# Altium PCB Shuttler_AMC.PcbDoc (part 6 of 12)
Units mm, origin at the board's own origin, x right, y up, seen from the top; angles counter-clockwise.
Board outline 180.71 x 148.55 mm, 12 copper layers (Layer 1, Layer 2, Layer 3, Layer 4, Layer 5, Layer 6, Layer 7, Layer 8, Layer 9, Layer 10, Layer 11, Layer 12), stack 2.14 mm thick; 1184 components, 1698 nets, 9088 pads, 920 vias.
Unrouted connection lines stored in the file: 1441.
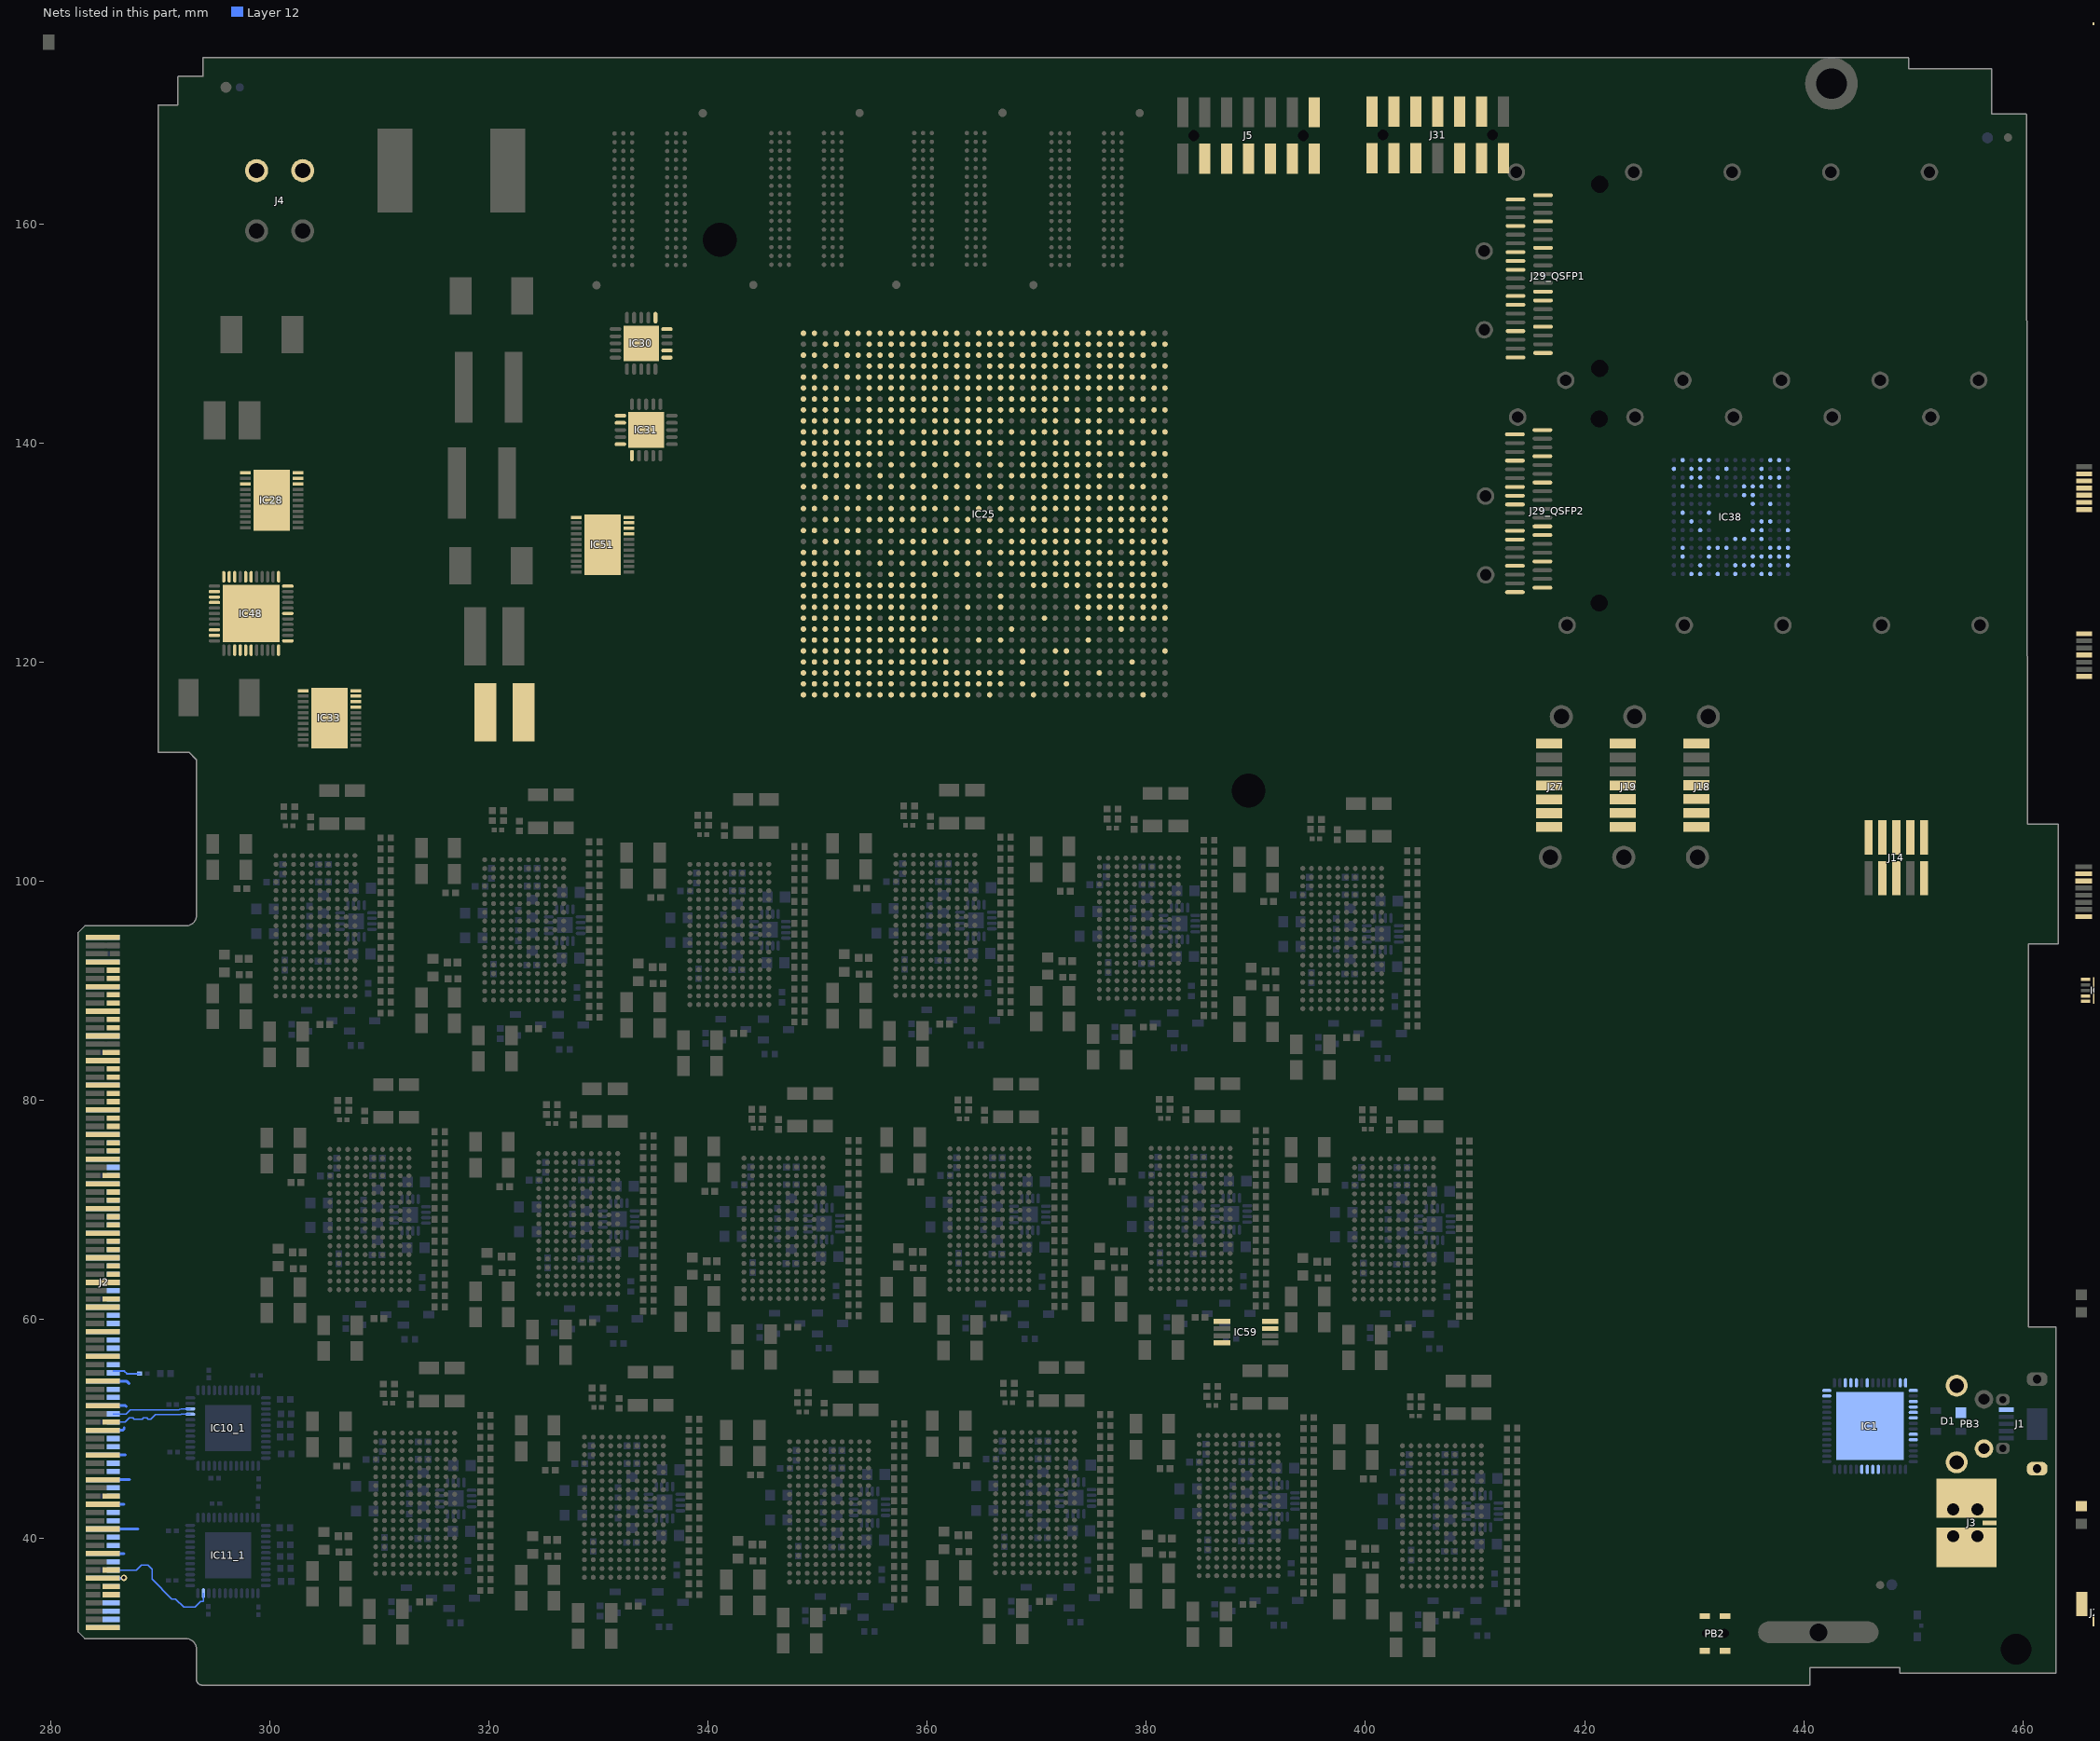
[diagram p12: the nets of this part, all layers, seen from the top]

## Part data (continued)
L4 L6 L7 L8 L9 L10 L11 L12 L13 L14 L29_Amplifier14 L30_Amplifier14 L32 L33 L38 L39 L40 L45 L47 L48 L49 L1000 L1000_1 L1000_1_1 L1000_1_2 L1000_2 L1000_2_1 L1000_2_2 L1000_3 L1000_3_1 L1000_3_2 L1000_4 L1000_4_1 L1000_4_1_1 L1000_4_1_2 L1000_4_2 L1000_4_3 L1000_5 L1000_6 L1001 L1001_1 L1001_1_1 L1001_1_2 L1001_2 L1001_2_1 L1001_2_2 L1001_3 L1001_3_1 L1001_3_2 L1001_4 L1001_4_1 L1001_4_1_1 L1001_4_1_2 L1001_4_2 L1001_4_3 L1001_5 L1001_6: library part IND0603_MURATA_BLM18PG121SN1D, "Inductor", Case=0603, Manufacturer=MURATA, Manufacturer Part Number=BLM18PG121SN1D, Power=2A, Resistance=0.05R, Author="CERN DEM BC", ComponentHeight=0.95mm, Component Type=Standard, HelpURL=\\cern.ch\dfs\Applications\Altium\Datasheets\IND0603_MURATA_BLM18P.pdf, Mounted=Yes, Part Description="SMD EMIFIL Chip Ferrite Bead", Part Number=IND0603_MURATA_BLM18PG121SN1D, Pin Count=2, Sense=No, SMD=Yes, Socket=No, Status=None
  L4 L6 L7 L8 L9 L10 L13 L14 L29_Amplifier14 L30_Amplifier14 L32 L33 L38 L39 L40 L45 L47 L48 L49 L1000 L1000_1 L1000_1_1 L1000_1_2 L1000_2 L1000_2_1 L1000_2_2 L1000_3 L1000_3_1 L1000_3_2 L1000_4 L1000_4_1 L1000_4_1_1 L1000_4_1_2 L1000_4_2 L1000_4_3 L1000_5 L1000_6 L1001 L1001_1 L1001_1_1 L1001_1_2 L1001_2 L1001_2_1 L1001_2_2 L1001_3 L1001_3_1 L1001_3_2 L1001_4 L1001_4_1 L1001_4_1_1 L1001_4_1_2 L1001_4_2 L1001_4_3 L1001_5 L1001_6: CreateDate=27.07.2015, LatestRevisionDate=27.07.2015
  L11 L12: CreateDate=2015-07-27, LatestRevisionDate=2015-07-27
L5: library part IND0805_47NH_5%_EPCOS_B82498B, "Inductor With Core", Case=0805, Manufacturer=EPCOS, Manufacturer Part Number=B82498B3470J, Power=500mA, Resistance=0.13R, Tolerance=±5%, Author="CERN DEM JLC", ComponentHeight=1.45mm, Component Type=Standard, CreateDate=11.02.2008, HelpURL=\\cern.ch\dfs\Applications\Altium\Datasheets\IND0805_EPCOS_B82498B.pdf, LatestRevisionDate=26.06.2008, Mounted=Yes, Part Description="SMT Inductor SIMID Series", Part Number=IND0805_47NH_5%_EPCOS_B82498B, Pin Count=2, Sense=No, SMD=Yes, Socket=No, Status=Preferred
L15 L27: library part IND0603_MURATA_BLM18PG121SN1D, Case=0603, Manufacturer=MURATA, Manufacturer Part Number=BLM18PG121SN1D, Power=2A, Resistance=0.05R, Author="CERN DEM BC", ComponentHeight=0.95mm, Component Type=Standard, CreateDate=27.07.2015, HelpURL=\\cern.ch\dfs\Applications\Altium\Datasheets\IND0603_MURATA_BLM18P.pdf, LatestRevisionDate=25.10.2018, Mounted=Yes, Part Description="SMD EMIFIL Chip Ferrite Bead", Part Number=IND0603_MURATA_BLM18PG121SN1D, Pin Count=2, Sense=No, SMD=Yes, Socket=No, Status=None
L16 L35 L36 L54 L55: library part IND0402_MURATA_BLM15PX121SN1D, "Inductor", Case=0402, Manufacturer=MURATA, Manufacturer Part Number=BLM15PX121SN1D, Power=2A, Resistance=0.055R, Tolerance=±25%, Author="CERN DEM JMW", ComponentHeight=0.55mm, Component Type=Standard, CreateDate=19.02.2014, HelpURL=\\cern.ch\dfs\Applications\Altium\Datasheets\IND0402_MURATA_BLM15PX.pdf, LatestRevisionDate=19.02.2014, Mounted=Yes, Part Description="SMD EMIFIL Chip Ferrite Bead", Part Number=IND0402_MURATA_BLM15PX121SN1D, Pin Count=2, Sense=No, SMD=Yes, Socket=No, Status=None
L18 L19 L20 L21 L22: library part IND1806_MURATA_BLM41PG600SN1L, "Inductor", Case=1806, Manufacturer=MURATA, Manufacturer Part Number=BLM41PG600SN1L, Power=6A, Resistance=0.01R, Author="CERN DEM JLC", ComponentHeight=1.8mm, Component Type=Standard, CreateDate=02.12.2009, HelpURL=\\cern.ch\dfs\Applications\Altium\Datasheets\IND1806_MURATA_BLM41P.pdf, LatestRevisionDate=02.12.2009, Mounted=Yes, Part Description="SMD EMI Suppression Chip Ferrite Bead (BLM41P Series)", Part Number=IND1806_MURATA_BLM41PG600SN1L, Pin Count=2, Sense=No, SMD=Yes, Socket=No, Status=None
L23 L24: library part IND0603_MURATA_BLM18PG330SN1D, "Inductor", Case=0603, Manufacturer=MURATA, Manufacturer Part Number=BLM18PG330SN1D, Power=3A, Resistance=0.025R, Tolerance=±25%, Author="CERN DEM JMW", ComponentHeight=0.95mm, Component Type=Standard, CreateDate=19.02.2014, HelpURL=\\cern.ch\dfs\Applications\Altium\Datasheets\IND0603_MURATA_BLM18P.pdf, LatestRevisionDate=19.02.2014, Mounted=Yes, Part Description="SMD EMIFIL Chip Ferrite Bead", Part Number=IND0603_MURATA_BLM18PG330SN1D, Pin Count=2, Sense=No, SMD=Yes, Socket=No, Status=None
L25: library part IND_440NH_20%_PULSE_PA0513.441NLT, "Inductor With Core", Manufacturer="PULSE ELECTRONICS", Manufacturer Part Number=PA0513.441NLT, Power=30A, Resistance=0.0032R, Tolerance=±20%, Author="CERN DEM JLC", ComponentHeight=8mm, Component Type=Standard, CreateDate=15.11.2016, HelpURL=\\cern.ch\dfs\Applications\Altium\Datasheets\IND_PULSE_PA0513.441NLT.pdf, LatestRevisionDate=15.11.2016, Mounted=Yes, Part Description="SMT Power Inductor", Part Number=IND_440NH_20%_PULSE_PA0513.441NLT, Pin Count=2, Sense=No, SMD=Yes, Socket=No, Status=None
L26: library part IND_2.2UH_20%_WURTH_WE-PMCI_74479276222C, "Inductor", Case=0806, Manufacturer="WURTH ELEKTRONIK", Manufacturer Part Number=74479276222C, Power=1.1A, Resistance=0.112R, Tolerance=±20%, Author="CERN DEM JLC", ComponentHeight=1mm, Component Type=Standard, CreateDate=20.10.2016, HelpURL=\\cern.ch\dfs\Applications\Altium\Datasheets\IND_WURTH_WE-PMCI_74479276222C.pdf, LatestRevisionDate=20.10.2016, Mounted=Yes, Part Description="SMD Power Molded Chip  Inductor (WE-PMCI Series)", Part Number=IND_2.2UH_20%_WURTH_WE-PMCI_74479276222C, Pin Count=2, Sense=No, SMD=Yes, Socket=No, Status=None
L28: library part IND_10UH_20%_WURTH_WE-SPC_74408943100, "Inductor With Core", Manufacturer="WURTH ELEKTRONIK", Manufacturer Part Number=74408943100, Power=1.65A, Resistance=0.082R, Tolerance=±20%, Author="CERN DEM MR", ComponentHeight=4.1mm, Component Type=Standard, CreateDate=30.06.2017, HelpURL=\\cern.ch\dfs\Applications\Altium\Datasheets\IND_WURTH_WE-SPC_74408943100.pdf, LatestRevisionDate=05.07.2017, Mounted=Yes, Part Description="SMD Shielded Power Inductor (WE-SPC Series)", Part Number=IND_10UH_20%_WURTH_WE-SPC_74408943100, Pin Count=2, Sense=No, SMD=Yes, Socket=No, Status=None
L31: library part IND0805_WURTH_742792040, "Inductor", Case=0805, Manufacturer="WURTH ELEKTRONIK", Manufacturer Part Number=742792040, Power=2A, Resistance=0.150R, Tolerance=±25%, Author="CERN DEM JLC", ComponentHeight=1.1mm, Component Type=Standard, CreateDate=10.05.2010, HelpURL=\\cern.ch\dfs\Applications\Altium\Datasheets\IND0805_WURTH_742792040.pdf, LatestRevisionDate=10.05.2010, Mounted=Yes, Part Description="SMD EMI Suppression Chip Ferrite Bead (WE-CBF Series)", Part Number=IND0805_WURTH_742792040, Pin Count=2, Sense=No, SMD=Yes, Socket=No, Status=None
L34: library part SPM6530T-4R7M, "Inductor With Core", Manufacturer=TDK, Part Number=IND_4.7UH_20%_TDK_SPM6530, Power=5.6A, Resistance=0.039R, Tolerance=±20%, Autho=TP, ComponentHeight=3mm, Component Type=Standard, CreateDate=16.01.2019, Manufacturer Part Number=SPM6530T-4R7M, Mounted=Yes, Part Description="SMD Inductor for Power Circuits (Wound Metal), SPM Series", Pin Count=2, Sense=No, SMD=Yes, Socket=No, Status=None
L37: library part IND_10UH_10%_MURATA-PS_8400, "Inductor With Core", Manufacturer="MURATA POWER SOLUTIONS", Manufacturer Part Number=84103C, Power=950mA, Resistance=0.24R, Tolerance=±10%, Author="CERN DEM JLC", ComponentHeight=2.9mm, Component Type=Standard, CreateDate=02.07.2012, HelpURL=\\cern.ch\dfs\Applications\Altium\Datasheets\IND_MURATA-PS_8400.pdf, LatestRevisionDate=02.07.2012, Mounted=Yes, Part Description="Miniature Surface Mount Power Inductor (8400 Series)", Part Number=IND_10UH_10%_MURATA-PS_8400, Pin Count=2, Sense=No, SMD=Yes, Socket=No, Status=None
L41 L42 L43: library part IND_2.2UH_20%_BOURNS_SRP6540, "Inductor", Manufacturer=BOURNS, Manufacturer Part Number=SRP6540-2R2M, Power=9A, Resistance=0.0155R, Tolerance=±20%, Author="CERN DEM JMW", ComponentHeight=4mm, Component Type=Standard, CreateDate=06.08.2015, HelpURL=\\cern.ch\dfs\Applications\Altium\Datasheets\IND_BOURNS_SRP6540.pdf, LatestRevisionDate=06.08.2015, Mounted=Yes, Part Description="Shielded SMD Power Inductor", Part Number=IND_2.2UH_20%_BOURNS_SRP6540, Pin Count=2, Sense=No, SMD=Yes, Socket=No, Status=None
L44 L46: library part IND_1.8UH_20%_COILCRAFT_XAL7070, "Inductor With Core", Manufacturer=COILCRAFT, Manufacturer Part Number=XAL7070-182MEC, Power=15.8A, Resistance=0.00405R, Tolerance=±20%, Author="CERN DEM JLC", ComponentHeight=7mm, Component Type=Standard, CreateDate=03.11.2016, HelpURL=\\cern.ch\dfs\Applications\Altium\Datasheets\IND_COILCRAFT_XAL7070.pdf, LatestRevisionDate=03.11.2016, Mounted=Yes, Part Description="SMD Shielded Power Inductor", Part Number=IND_1.8UH_20%_COILCRAFT_XAL7070, Pin Count=2, Sense=No, SMD=Yes, Socket=No, Status=None
L50: library part IND_4.7UH_20%_WURTH_WE-SPC_74408943047, "Inductor With Core", Manufacturer="WURTH ELEKTRONIK", Manufacturer Part Number=74408943047, Power=2.2A, Resistance=0.045R, Tolerance=±20%, Author="CERN DEM JLC", ComponentHeight=4.1mm, Component Type=Standard, CreateDate=24.11.2014, HelpURL=\\cern.ch\dfs\Applications\Altium\Datasheets\IND_WURTH_WE-SPC_74408943047.pdf, LatestRevisionDate=05.07.2017, Mounted=Yes, Part Description="SMD Shielded Power Inductor (WE-SPC Series)", Part Number=IND_4.7UH_20%_WURTH_WE-SPC_74408943047, Pin Count=2, Sense=No, SMD=Yes, Socket=No, Status=None
L51_QSFP2 L52_QSFP2 L53_QSFP2: library part IND0805_MURATA_BLM21PG221SN1D, "Inductor", Case=0805, Manufacturer=MURATA, Manufacturer Part Number=BLM21PG221SN1D, Power=2A, Resistance=0.05R, Tolerance=±25%, Author="CERN DEM JLC", ComponentHeight=1.05mm, Component Type=Standard, CreateDate=25.01.2010, HelpURL=\\cern.ch\dfs\Applications\Altium\Datasheets\IND0805_MURATA_BLM21P.pdf, LatestRevisionDate=17.01.2017, Mounted=Yes, Part Description="SMD EMIFIL Suppression Chip Ferrite Bead", Part Number=IND0805_MURATA_BLM21PG221SN1D, Pin Count=2, Sense=No, SMD=Yes, Socket=No, Status=None
LD12: library part LED_AVAGO_HSME-C120, "LED Green 1C 2A", Manufacturer="AVAGO TECHNOLOGIES", Manufacturer Part Number=HSME-C120, Author="CERN DEM JMW", Bonding=No, Color=Green, ComponentHeight=0.7mm, ComponentLink1Description="Design Guide", ComponentLink1URL=\\cern.ch\dfs\Applications\Altium\Datasheets\LED_AVAGO_HSME-C110_DESIGN-GUIDE.pdf, Component Type=Standard, CreateDate=22.07.2009, HelpURL=\\cern.ch\dfs\Applications\Altium\Datasheets\LED_AVAGO_HSME-C120.pdf, LatestRevisionDate=20.06.2012, Mounted=Yes, PackageDescription="Green Chip LED, 2-Leads, Body 1.7x1.1mm, Side Emitting Package", Part Description="High Performance Right Angle Chip Green LED", Part Number=LED_AVAGO_HSME-C120, Pin Count=2, PressFit=No, Sense=No, SMD=Yes, Socket=No
PB2: library part SW_C&K_HDT0001, "Push-Button Switch SPDT", Manufacturer=C&K, Manufacturer Part Number=HDT0001, Author="CERN DEM JLC", ComponentHeight=3.35mm, Component Type=Standard, CreateDate=15.08.2012, Family="Push Button", HelpURL=\\cern.ch\dfs\Applications\Altium\Datasheets\SW_C&K_HDT0001.pdf, LatestRevisionDate=15.08.2012, Mounted=Yes, PackageDescription="Body 3.5x2.8mm, Micro Mini Surface Mount Detect Switches, HDT Serie", Part Description="5VDC 1mA SPST-NO Micro Mini Surface Surface Mount Detect Push-Button Switch, HDT Series", Part Number=SW_C&K_HDT0001, Pin Count=4, PressFit=No, Sense=No, SMD=Yes, Socket=No, Status=None
PB3: library part PB_ALPS_SKHHLQA010, "Push-Button Switch SPDT", Manufacturer=ALPS, Manufacturer Part Number=SKHHLQA010, Author="CERN DEM JLC", ComponentHeight=7.4mm, Component Type=Standard, CreateDate=15.01.2009, Family="Push Button", HelpURL=\\cern.ch\dfs\Applications\Altium\Datasheets\PB_ALPS_SKHHLQA010.pdf, LatestRevisionDate=15.01.2009, Mounted=Yes, PackageDescription="Body 6x6mm, Stem height 8.35mm, Horizontal Pushbutton Switch, ALPS Serie SKHH", Part Description="6x6mm, SPST Horizontal Pushbutton Switch, Stem height 8.35mm, Contact Rating 50mA 12VDC, SKHH Series", Part Number=PB_ALPS_SKHHLQA010, Pin Count=4, PressFit=No, Sense=Yes, Sense Comment=Non-washable, SMD=No, Socket=No, Status=None
Q1: library part XTAL_12MHZ_TXC_7M-12.000MAAJ-T, "Crystal 4 pins 1=XTAL Control 2=GND3=XTAL 4=GND", Manufacturer="TXC CORPORATION", Manufacturer Part Number=7M-12.000MAAJ-T, Author="CERN DEM JLC", Bonding=No, ComponentHeight=0.8mm, Component Type=Standard, CreateDate=19.06.2012, HelpURL=\\cern.ch\dfs\Applications\Altium\Datasheets\XTAL_TXC_7M.pdf, LatestRevisionDate=19.06.2012, Mounted=Yes, PackageDescription="4 Pins, 2.5x3.2mm, SMD Sealing Crystal, 7M Serie", Part Description="±30ppm 18pF -20°C to +70°C  4 Pins, 3.2x2.5X0.8mm, SMD Sealing Crystal, 7M Series", Part Number=XTAL_12MHZ_TXC_7M-12.000MAAJ-T, Pin Count=4, PressFit=No, Sense=No, SMD=Yes, Socket=No
Q2: library part XTAL_114.285MHZ_CONNOR_CS-023, "Crystal 4 pins 1=XTAL Control 2=GND3=XTAL 4=GND", Manufacturer=CONNOR-WINFIELD, Manufacturer Part Number=CS-023-114.285M, Author="CERN DEM JLC", Bonding=No, ComponentHeight=0.8mm, Component Type=Standard, CreateDate=08.07.2014, HelpURL=\\cern.ch\dfs\Applications\Altium\Datasheets\XTAL_CONNOR_CS-023.pdf, LatestRevisionDate=08.07.2014, Mounted=Yes, PackageDescription="4 Pins, 2.5x3.2mm, SMD Sealing Crystal, CS Series", Part Description="±20ppm 18pF -40°C to +85°C  4 Pins, 3.2x2.5X0.8mm, SMD Crystal Unit, CS-018 Series", Part Number=XTAL_114.285MHZ_CONNOR_CS-023, Pin Count=4, PressFit=No, Sense=No, SMD=Yes, Socket=No
Q3: library part XTAL_8MHZ_TXC_7A-8.000MAAE-T, "Quartz Crystal", Manufacturer="TXC CORPORATION", Manufacturer Part Number=7A-8.000MAAE-T, Author="CERN DEM JLC", Bonding=No, ComponentHeight=1.2mm, Component Type=Standard, CreateDate=09.10.2014, HelpURL=\\cern.ch\dfs\Applications\Altium\Datasheets\XTAL_TXC_7A.pdf, LatestRevisionDate=12.11.2014, Mounted=Yes, PackageDescription="2 Pins, 3.2x5mm, SMD Glass Seam Sealing Crystal, 7A Serie", Part Description="Tolerance: ±30ppm, Stability: ±30ppm, -20°C to +70°C, 12pF, SMD Glass Seam Sealing Crystal, 7A Series", Part Number=XTAL_8MHZ_TXC_7A-8.000MAAE-T, Pin Count=2, PressFit=No, Sense=No, SMD=Yes, Socket=No
Q4: library part XTAL_25MHZ_TXC_8Y-25.000MAAJ-T, "Crystal 4 pins 1=XTAL Control 2=GND3=XTAL 4=GND", Manufacturer="TXC CORPORATION", Manufacturer Part Number=8Y-25.000MAAJ-T, Author="CERN DEM JLC", Bonding=No, ComponentHeight=13.6mm, Component Type=Standard, CreateDate=08.03.2012, HelpURL=\\cern.ch\dfs\Applications\Altium\Datasheets\XTAL_TXC_8Y.pdf, LatestRevisionDate=08.03.2012, Mounted=Yes, PackageDescription="4 Pins, 2x1.6X0.5mm, SMD Seam Sealing Crystal, 8Y Serie", Part Description="±30ppm 18pF -20°C to +70°C  4 Pins, 2x1.6X0.5mm, SMD Seam Sealing Crystal, 8Y Serie", Part Number=XTAL_25MHZ_TXC_8Y-25.000MAAJ-T, Pin Count=4, PressFit=No, Sense=No, SMD=Yes, Socket=No
R60 R61 R62 R63 R64 R65 R66 R67 R68 R69 R447: "Part Number = Resistor - 1% RESC1005X40N"
R1000 R1000_1 R1000_1_1 R1000_1_2 R1000_2 R1000_2_1 R1000_2_2 R1000_3 R1000_3_1 R1000_3_2 R1000_4 R1000_4_1 R1000_4_1_1 R1000_4_1_2 R1000_4_2 R1000_4_3 R1000_5 R1000_6 R1003 R1003_1 R1003_1_1 R1003_1_2 R1003_2 R1003_2_1 R1003_2_2 R1003_3 R1003_3_1 R1003_3_2 R1003_4 R1003_4_1 R1003_4_1_1 R1003_4_1_2 R1003_4_2 R1003_4_3 R1003_5 R1003_6: library part R0402_63R4_0.1%_0.063W_10PPM, "Resistor - 0.1%", Case=0402, Manufacturer=GENERIC, Manufacturer1 ComponentHeight=0.35mm, Manufacturer1 Example="TE Connectivity Passive Product", Manufacturer1 Part Number=RN73C1E63R4BTD, Power=0.063W, Tolerance=±0.1%, Authorr=TPrzywoz, Component Type=Standard, CreateDate=06.12.2018, LatestRevisionDate=09.03.2017, Manufacturer Part Number=R0402_63R4_0.1%_0.063W_10PPM, Mounted=Yes, Part Description="Thin Film Chip Resistor", Part Number=R0402_63R4_0.1%_0.063W_10PPM, Pin Count=2, PressFit=No, Sense=No, SMD=Yes, Socket=No, Status="Not Recommended", TC=±10ppm
R1001 R1001_1 R1001_1_1 R1001_1_2 R1001_2 R1001_2_1 R1001_2_2 R1001_3 R1001_3_1 R1001_3_2 R1001_4 R1001_4_1 R1001_4_1_1 R1001_4_1_2 R1001_4_2 R1001_4_3 R1001_5 R1001_6 R1004 R1004_1 R1004_1_1 R1004_1_2 R1004_2 R1004_2_1 R1004_2_2 R1004_3 R1004_3_1 R1004_3_2 R1004_4 R1004_4_1 R1004_4_1_1 R1004_4_1_2 R1004_4_2 R1004_4_3 R1004_5 R1004_6: library part R0603_255R_0.1%_0.063W_10PPM, "Resistor - 0.1%", Case=0603, Manufacturer=GENERIC, Manufacturer1 ComponentHeight=0.5mm, Manufacturer1 Example="TYCO HOLSWORTHY", Manufacturer1 Part Number=RN73C1J255RBTDF, Power=0.063W, Tolerance=±0.1%, Author="CERN DEM JLC", Component Type=Standard, CreateDate=03.12.2007, HelpURL=\\cern.ch\dfs\Applications\Altium\Datasheets\R0603_Tyco_RN73.pdf, LatestRevisionDate=13.03.2008, Manufacturer Part Number=R0603_255R_0.1%_0.063W_10PPM, Mounted=Yes, Part Description="Thin Film Chip Resistor", Part Number=R0603_255R_0.1%_0.063W_10PPM, Pin Count=2, PressFit=No, Sense=No, SMD=Yes, Socket=No, Status="Not Recommended", TC=±10ppm
R1002 R1002_1 R1002_1_1 R1002_1_2 R1002_2 R1002_2_1 R1002_2_2 R1002_3 R1002_3_1 R1002_3_2 R1002_4 R1002_4_1 R1002_4_1_1 R1002_4_1_2 R1002_4_2 R1002_4_3 R1002_5 R1002_6 R1005 R1005_1 R1005_1_1 R1005_1_2 R1005_2 R1005_2_1 R1005_2_2 R1005_3 R1005_3_1 R1005_3_2 R1005_4 R1005_4_1 R1005_4_1_1 R1005_4_1_2 R1005_4_2 R1005_4_3 R1005_5 R1005_6: library part R0603_41R2_0.1%_0.063W_10PPM, "Resistor - 0.1%", Case=0603, Manufacturer=GENERIC, Manufacturer1 ComponentHeight=0.5mm, Manufacturer1 Example="TYCO HOLSWORTHY", Manufacturer1 Part Number=RN73C1J41R2BTDF, Power=0.063W, Tolerance=±0.1%, Author="CERN DEM JLC", Component Type=Standard, CreateDate=03.12.2007, HelpURL=\\cern.ch\dfs\Applications\Altium\Datasheets\R0603_Tyco_RN73.pdf, LatestRevisionDate=13.03.2008, Manufacturer Part Number=R0603_41R2_0.1%_0.063W_10PPM, Mounted=Yes, Part Description="Thin Film Chip Resistor", Part Number=R0603_41R2_0.1%_0.063W_10PPM, Pin Count=2, PressFit=No, Sense=No, SMD=Yes, Socket=No, Status="Not Recommended", TC=±10ppm
R1006 R1006_1 R1006_1_1 R1006_1_2 R1006_2 R1006_2_1 R1006_2_2 R1006_3 R1006_3_1 R1006_3_2 R1006_4 R1006_4_1 R1006_4_1_1 R1006_4_1_2 R1006_4_2 R1006_4_3 R1006_5 R1006_6 R1007 R1007_1 R1007_1_1 R1007_1_2 R1007_2 R1007_2_1 R1007_2_2 R1007_3 R1007_3_1 R1007_3_2 R1007_4 R1007_4_1 R1007_4_1_1 R1007_4_1_2 R1007_4_2 R1007_4_3 R1007_5 R1007_6 R1026 R1026_1 R1026_1_1 R1026_1_2 R1026_2 R1026_2_1 R1026_2_2 R1026_3 R1026_3_1 R1026_3_2 R1026_4 R1026_4_1 R1026_4_1_1 R1026_4_1_2 R1026_4_2 R1026_4_3 R1026_5 R1026_6: library part R0402_10K_1%_0.0625W_100PPM, "Resistor - 1%", Case=0402, Manufacturer=GENERIC, Manufacturer1 ComponentHeight=0.4mm, Manufacturer1 Example="YAGEO PHYCOMP", Manufacturer1 Part Number=232270671003L, Power=0.0625W, Tolerance=±1%, Author="CERN DEM JLC", Component Type=Standard, CreateDate=03.12.2007, HelpURL=\\cern.ch\dfs\Applications\Altium\Datasheets\R0402_Phycomp_RC0402.pdf, LatestRevisionDate=17.10.2012, Manufacturer Part Number=R0402_10K_1%_0.0625W_100PPM, Mounted=Yes, Part Description="General Purpose Thick Film Chip Resistor", Part Number=R0402_10K_1%_0.0625W_100PPM, Pin Count=2, PressFit=No, Sense=No, SMD=Yes, Socket=No, Status="Not Recommended", TC=±100ppm/°C
R1008 R1008_1 R1008_1_1 R1008_1_2 R1008_2 R1008_2_1 R1008_2_2 R1008_3 R1008_3_1 R1008_3_2 R1008_4 R1008_4_1 R1008_4_1_1 R1008_4_1_2 R1008_4_2 R1008_4_3 R1008_5 R1008_6 R1009 R1009_1 R1009_1_1 R1009_1_2 R1009_2 R1009_2_1 R1009_2_2 R1009_3 R1009_3_1 R1009_3_2 R1009_4 R1009_4_1 R1009_4_1_1 R1009_4_1_2 R1009_4_2 R1009_4_3 R1009_5 R1009_6 R1010 R1010_1 R1010_1_1 R1010_1_2 R1010_2 R1010_2_1 R1010_2_2 R1010_3 R1010_3_1 R1010_3_2 R1010_4 R1010_4_1 R1010_4_1_1 R1010_4_1_2 R1010_4_2 R1010_4_3 R1010_5 R1010_6 R1011 R1011_1 R1011_1_1 R1011_1_2 R1011_2 R1011_2_1 R1011_2_2 R1011_3 R1011_3_1 R1011_3_2 R1011_4 R1011_4_1 R1011_4_1_1 R1011_4_1_2 R1011_4_2 R1011_4_3 R1011_5 R1011_6 R1012 R1012_1 R1012_1_1 R1012_1_2 R1012_2 R1012_2_1 R1012_2_2 R1012_3 R1012_3_1 R1012_3_2 R1012_4 R1012_4_1 R1012_4_1_1 R1012_4_1_2 R1012_4_2 R1012_4_3 R1012_5 R1012_6 R1013 R1013_1 R1013_1_1 R1013_1_2 R1013_2 R1013_2_1 R1013_2_2 R1013_3 R1013_3_1 R1013_3_2 R1013_4 R1013_4_1 R1013_4_1_1 R1013_4_1_2 R1013_4_2 R1013_4_3 R1013_5 R1013_6 R1014 R1014_1 R1014_1_1 R1014_1_2 R1014_2 R1014_2_1 R1014_2_2 R1014_3 R1014_3_1 R1014_3_2 R1014_4 R1014_4_1 R1014_4_1_1 R1014_4_1_2 R1014_4_2 R1014_4_3 R1014_5 R1014_6 R1015 R1015_1 R1015_1_1 R1015_1_2 R1015_2 R1015_2_1 R1015_2_2 R1015_3 R1015_3_1 R1015_3_2 R1015_4 R1015_4_1 R1015_4_1_1 R1015_4_1_2 R1015_4_2 R1015_4_3 R1015_5 R1015_6 R1016 R1016_1 R1016_1_1 R1016_1_2 R1016_2 R1016_2_1 R1016_2_2 R1016_3 R1016_3_1 R1016_3_2 R1016_4 R1016_4_1 R1016_4_1_1 R1016_4_1_2 R1016_4_2 R1016_4_3 R1016_5 R1016_6 R1017 R1017_1 R1017_1_1 R1017_1_2 R1017_2 R1017_2_1 R1017_2_2 R1017_3 R1017_3_1 R1017_3_2 R1017_4 R1017_4_1 R1017_4_1_1 R1017_4_1_2 R1017_4_2 R1017_4_3 R1017_5 R1017_6 R1018 R1018_1 R1018_1_1 R1018_1_2 R1018_2 R1018_2_1 R1018_2_2 R1018_3 R1018_3_1 R1018_3_2 R1018_4 R1018_4_1 R1018_4_1_1 R1018_4_1_2 R1018_4_2 R1018_4_3 R1018_5 R1018_6 R1019 R1019_1 R1019_1_1 R1019_1_2 R1019_2 R1019_2_1 R1019_2_2 R1019_3 R1019_3_1 R1019_3_2 R1019_4 R1019_4_1 R1019_4_1_1 R1019_4_1_2 R1019_4_2 R1019_4_3 R1019_5 R1019_6 R1020 R1020_1 R1020_1_1 R1020_1_2 R1020_2 R1020_2_1 R1020_2_2 R1020_3 R1020_3_1 R1020_3_2 R1020_4 R1020_4_1 R1020_4_1_1 R1020_4_1_2 R1020_4_2 R1020_4_3 R1020_5 R1020_6 R1021 R1021_1 R1021_1_1 R1021_1_2 R1021_2 R1021_2_1 R1021_2_2 R1021_3 R1021_3_1 R1021_3_2 R1021_4 R1021_4_1 R1021_4_1_1 R1021_4_1_2 R1021_4_2 R1021_4_3 R1021_5 R1021_6 R1022 R1022_1 R1022_1_1 R1022_1_2 R1022_2 R1022_2_1 R1022_2_2 R1022_3 R1022_3_1 R1022_3_2 R1022_4 R1022_4_1 R1022_4_1_1 R1022_4_1_2 R1022_4_2 R1022_4_3 R1022_5 R1022_6 R1023 R1023_1 R1023_1_1 R1023_1_2 R1023_2 R1023_2_1 R1023_2_2 R1023_3 R1023_3_1 R1023_3_2 R1023_4 R1023_4_1 R1023_4_1_1 R1023_4_1_2 R1023_4_2 R1023_4_3 R1023_5 R1023_6 R1024 R1024_1 R1024_1_1 R1024_1_2 R1024_2 R1024_2_1 R1024_2_2 R1024_3 R1024_3_1 R1024_3_2 R1024_4 R1024_4_1 R1024_4_1_1 R1024_4_1_2 R1024_4_2 R1024_4_3 R1024_5 R1024_6: library part R0402_80R6_1%_0.1W_100PPM, "Resistor - 1%", Case=0402, Manufacturer=GENERIC, Manufacturer1 ComponentHeight=0.4mm, Manufacturer1 Example=PANASONIC, Manufacturer1 Part Number=ERJ2RKF80R6X, Power=0.1W, Tolerance=±1%, Voltage=50V, Author="CERN DEM JLC", Component Type=Standard, CreateDate=03.03.2015, HelpURL=\\cern.ch\dfs\Applications\Altium\Datasheets\R0402_PANASONIC_ERJ2RK.pdf, LatestRevisionDate=03.03.2015, Manufacturer Part Number=R0402_80R6_1%_0.1W_100PPM, Mounted=Yes, Part Description="General Purpose Thick Film Chip Resistor", Part Number=R0402_80R6_1%_0.1W_100PPM, Pin Count=2, PressFit=No, Sense=No, SMD=Yes, Socket=No, Status="Not Recommended", TC=±100ppm/°C
R1025 R1025_1 R1025_1_1 R1025_1_2 R1025_2 R1025_2_1 R1025_2_2 R1025_3 R1025_3_1 R1025_3_2 R1025_4 R1025_4_1 R1025_4_1_1 R1025_4_1_2 R1025_4_2 R1025_4_3 R1025_5 R1025_6: library part R0201_100R_1%_0.05W_200PPM, "Resistor - 1%", Case=0201, Manufacturer=GENERIC, Manufacturer1 ComponentHeight=0.27mm, Manufacturer1 Example=VISHAY, Manufacturer1 Part Number=CRCW0201100RFNED, Power=0.05W, Tolerance=±1%, Author="CERN DEM JLC", Component Type=Standard, CreateDate=13.11.2014, HelpURL="\\cern.ch\dfs\Applications\Altium\Datasheets\R0201_VISHAY_CRCW0201 e3.pdf", LatestRevisionDate=13.11.2014, Manufacturer Part Number=R0201_100R_1%_0.05W_200PPM, Mounted=Yes, Part Description="Thick Film Chip Resistor", Part Number=R0201_100R_1%_0.05W_200PPM, Pin Count=2, PressFit=No, Sense=No, SMD=Yes, Socket=No, Status="Not Recommended", TC=±200ppm/°C
R1027 R1027_1 R1027_1_1 R1027_1_2 R1027_2 R1027_2_1 R1027_2_2 R1027_3 R1027_3_1 R1027_3_2 R1027_4 R1027_4_1 R1027_4_1_1 R1027_4_1_2 R1027_4_2 R1027_4_3 R1027_5 R1027_6: library part R0603_500R_1%_0.1W_100PPM, "Resistor - 1%", Case=0603, Manufacturer=GENERIC, Manufacturer1 ComponentHeight=0.50mm, Manufacturer1 Example=VISHAY, Manufacturer1 Part Number=CRCW0603500RFKEA, Power=0.1W, Tolerance=±1%, Author="CERN DEM JLC", Component Type=Standard, CreateDate=21.03.2018, HelpURL="\\cern.ch\dfs\Applications\Altium\Datasheets\R0603_VISHAY_CRCW e3.pdf", LatestRevisionDate=21.03.2018, Manufacturer Part Number=R0603_500R_1%_0.1W_100PPM, Mounted=Yes, Part Description="General Purpose Thick Film Chip Resistor", Part Number=R0603_500R_1%_0.1W_100PPM, Pin Count=2, PressFit=No, Sense=No, SMD=Yes, Socket=No, Status=Preferred, TC=±100ppm/°C
T1000 T1000_1 T1000_1_1 T1000_1_2 T1000_2 T1000_2_1 T1000_2_2 T1000_3 T1000_3_1 T1000_3_2 T1000_4 T1000_4_1 T1000_4_1_1 T1000_4_1_2 T1000_4_2 T1000_4_3 T1000_5 T1000_6: "P-CHANNEL MOSFET WITH DIODE", Case=SOT23-3, Manufacturer="ON SEMICONDUCTOR", Author="CERN DEM JLC", Bonding=No, ComponentHeight=1.1mm, Component Type=Standard, CreateDate=29.03.2012, Device=BSS84LT1G, HelpURL=\\cern.ch\dfs\Applications\Altium\Datasheets\BSS84LT1G.pdf, LatestRevisionDate=29.03.2012, Manufacturer Part Number=BSS84LT1G, Mounted=Yes, PackageDescription="SOT23 3-Leads, Pitch 0.95mm - Body 1.4x3mm, IPC Medium Density", Part Description="50V 130mA Single P-Channel Power MOSFET", Part Number=BSS84LT1G, Pin Count=3, PressFit=No, Sense=No, SMD=Yes, Socket=No
T1001 T1001_1 T1001_1_1 T1001_1_2 T1001_2 T1001_2_1 T1001_2_2 T1001_3 T1001_3_1 T1001_3_2 T1001_4 T1001_4_1 T1001_4_1_1 T1001_4_1_2 T1001_4_2 T1001_4_3 T1001_5 T1001_6: "N-CHANNEL MOSFET WITH DIODE", Case=SOT23-3, Manufacturer=NEXPERIA, Author="CERN DEM JLC", Bonding=No, ComponentHeight=1.1mm, Component Type=Standard, CreateDate=16.03.2010, Device=BSH103, HelpURL=\\cern.ch\dfs\Applications\Altium\Datasheets\BSH103.pdf, LatestRevisionDate=20.06.2017, Manufacturer Part Number=BSH103, Mounted=Yes, PackageDescription="SOT23, 3 pin, Pitch 0.95mm - 1.3mm W X 2.9mm L X 1.1mm H, IPC Medium Density", Part Description="30V 850mA N-Channel Enhancement Mode Field-Effect Transistor", Part Number=BSH103, Pin Count=3, PressFit=No, Sense=No, SMD=Yes, Socket=No

## Free pads (board coordinates)
  round 1 smd paste-127 mask+0.75: ""(296.003,172.483)
  round 0.75 smd far side paste-127 mask+0.75: ""(297.26,172.466)
  oval 11x2 hole 1.6 slot 10.6 at 0 deg paste-127 mask-127: ""(441.336,31.458)
  round 4.8 hole 2.8 paste-127 mask+0.025: ""(442.536,172.808)
  round 0.75 smd paste-127 mask+0.75: ""(446.973,35.77) ""(458.649,167.897)
  round 1 smd far side paste-127 mask+0.75: ""(448.036,35.798) ""(456.773,167.86)
  oct 1x1 hole 2.8 unplated paste-127 mask+0.025: ""(459.386,29.908)

## Via types
v1: diameter 0.356, hole 0.155, Layer 1 to Layer 12, 431 vias
v2: diameter 0.3, hole 0.1, Layer 1 to Layer 12, 429 vias
v3: diameter 0.6, hole 0.3, Layer 1 to Layer 12, 38 vias
v4: diameter 0.406, hole 0.203, Layer 1 to Layer 12, 22 vias

## Nets (pads, with @x,y where several pads share a name; then routed paths per layer and width w, separated by ;. In a path a pad name is that pad's centre, name@x,y a point inside that pad or via, vN(x,y) a via of type N, cw(c..) or ccw(c..) an arc to the next point about the centre after c; other vN are vias at no path point)
ADC_VCC: IC25.U12 L16.1
ALT_PORT0.Rx0_N: IC25.AJ3
ALT_PORT0.Rx0_P: IC25.AJ4
ALT_PORT0.Tx0_N: IC25.AK5
ALT_PORT0.Tx0_P: IC25.AK6
AMC_ADD.GA0: J2.5
AMC_ADD.GA1: J2.17
AMC_ADD.GA2: J2.26
AMC_En: J2.41
AMC_FABRIC_CLOCK.FCLKA_N: J2.81
AMC_FABRIC_CLOCK.FCLKA_P: J2.80
AMC_JTAG.TCK_PROG: IC16.9 J2.165
AMC_JTAG.TDI_PROG: IC16.4 J2.169
AMC_JTAG.TDO_PROG: IC16.7 J2.168
AMC_JTAG.TMS_PROG: IC16.12 J2.166
AMC_JTAG.TRSTn_PROG: J2.167
AMC_P2P.Rx12_N: IC25.AB2 J2.112
AMC_P2P.Rx12_P: IC25.AB1 J2.111
AMC_P2P.Rx13_N: IC25.AD2 J2.118
AMC_P2P.Rx13_P: IC25.AD1 J2.117
AMC_P2P.Rx14_N: IC25.AF2 J2.124
AMC_P2P.Rx14_P: IC25.AF1 J2.123
AMC_P2P.Rx15_N: IC25.AH2 J2.130
AMC_P2P.Rx15_P: IC25.AH1 J2.129
AMC_P2P.Tx12_N: J2.114
AMC_P2P.Tx12_P: J2.115
AMC_P2P.Tx13_N: J2.120
AMC_P2P.Tx13_P: J2.121
AMC_P2P.Tx14_N: J2.126
AMC_P2P.Tx14_P: J2.127
AMC_P2P.Tx15_N: J2.132
AMC_P2P.Tx15_P: J2.133
AMC_TELECOM_CLOCK.TCLKA_N: J2.75
AMC_TELECOM_CLOCK.TCLKA_P: J2.74
AMC_TELECOM_CLOCK.TCLKB_N: J2.78
AMC_TELECOM_CLOCK.TCLKB_P: J2.77
AMC_TELECOM_CLOCK.TCLKC_N: J2.135
AMC_TELECOM_CLOCK.TCLKC_P: J2.136
AMC_TELECOM_CLOCK.TCLKD_N: J2.138
AMC_TELECOM_CLOCK.TCLKD_P: C231.2 J2.139 | length 2.5
  Layer 12 w0.16: J2.139@285.712,55.3 286.726,55.3 286.959,55.067 C231.2@288.124,55.067
AMC_TRST: 
AOUT_N0: 
AOUT_N1: 
AOUT_N2: 
AOUT_N3: 
AOUT_N4: 
AOUT_N5: 
AOUT_N6: 
AOUT_N7: 
AOUT_N8: 
AOUT_N9: 
AOUT_N10: 
AOUT_N11: 
AOUT_N12: 
AOUT_N13: 
AOUT_N14: 
AOUT_N15: 
AOUT_N16: IC62_Amplifier14.11
AOUT_N17: 
AOUT_P0: 
AOUT_P1: 
AOUT_P2: 
AOUT_P3: 
AOUT_P4: 
AOUT_P5: 
AOUT_P6: 
AOUT_P7: 
AOUT_P8: 
AOUT_P9: 
AOUT_P10: 
AOUT_P11: 
AOUT_P12: 
AOUT_P13: 
AOUT_P14: 
AOUT_P15: 
AOUT_P16: IC62_Amplifier14.10
AOUT_P17: 
AUX_CLOCK_2_N: IC26.13
AUX_CLOCK_2_P: IC26.12
AUX_CLOCK_C2_N: J9.1
AUX_CLOCK_C2_P: J8.1
AVDD: IC48.4 IC48.16
AVDD1V8: 
AVDD3V3: 
AVDD18: IC76.3 IC76.19 IC76.26 IC76.35 IC76.38 IC76.39
AVDD18_A: IC63.1 IC63.2 IC63.3 IC63.4 IC63.5 IC63.13
AVDD18_B: IC27.1 IC27.2 IC27.3 IC27.4 IC27.5 IC27.13
AVDD33: IC58.1 IC58.2 IC58.3 IC58.4 IC58.5 IC58.13
BOOT_MODE0: IC38.P9
BOOT_MODE1: IC38.P11
BOOT_MODE2: IC38.P3
BOOT_MODE3: IC38.N5
CDR_CLK_CLEAN1.CLK_N: IC25.AF5
CDR_CLK_CLEAN1.CLK_P: IC25.AF6
CDR_CLK_CLEAN2.CLK_N: IC25.M26
CDR_CLK_CLEAN2.CLK_P: IC25.M25
CDR_CLK_CLEAN3_N: IC17.2
CDR_CLK_CLEAN3_P: IC17.1
CK_U_DAC_LTC20001_N: 
CK_U_DAC_LTC20001_P: 
CK_U_DAC_LTC20002_N: 
CK_U_DAC_LTC20002_P: 
CK_U_DAC_LTC20003_N: 
CK_U_DAC_LTC20003_P: 
CK_U_DAC_LTC20004_N: 
CK_U_DAC_LTC20004_P: 
CK_U_DAC_LTC20005_N: 
CK_U_DAC_LTC20005_P: 
CK_U_DAC_LTC20006_N: 
CK_U_DAC_LTC20006_P: 
CK_U_DAC_LTC20007_N: 
CK_U_DAC_LTC20007_P: 
CK_U_DAC_LTC20008_N: 
CK_U_DAC_LTC20008_P: 
CK_U_DAC_LTC20009_N: 
CK_U_DAC_LTC20009_P: 
CK_U_DAC_LTC200010_N: 
CK_U_DAC_LTC200010_P: 
CK_U_DAC_LTC200011_N: 
CK_U_DAC_LTC200011_P: 
CK_U_DAC_LTC200012_N: 
CK_U_DAC_LTC200012_P: 
CK_U_DAC_LTC200013_N: 
CK_U_DAC_LTC200013_P: 
CK_U_DAC_LTC200014_N: 
CK_U_DAC_LTC200014_P: 
CK_U_DAC_LTC200015_N: 
CK_U_DAC_LTC200015_P: 
CK_U_DAC_LTC200016_N: 
CK_U_DAC_LTC200016_P: 
CK_U_DAC_LTC200017_N: 
CK_U_DAC_LTC200017_P: 
CK_U_DAC_LTC200018_N: 
CK_U_DAC_LTC200018_P: 
CKOUT1_B_N: IC56.6
CKOUT1_B_P: IC56.5
CKOUT1_N: IC26.34
CKOUT1_P: IC26.35
CLEAN1_N: IC56.11
CLEAN1_P: IC56.12
CLEAN2_N: IC56.13
CLEAN2_P: IC56.14
CLEAN3_N: IC56.17
CLEAN3_P: IC56.18
CLK_200MHz_N: 
CLK_200MHz_P: 
CLK_IN_FPGA.CLK_N: IC25.M24
CLK_IN_FPGA.CLK_P: IC25.N24
CLK_IN_FPGA_N: IC12.23
CLK_IN_FPGA_P: IC12.24
CLK_RFU_N: IC25.M5
CLK_RFU_P: IC25.M6
CLK_SEL: IC25.T25 IC56.32
CPU_HW_ID0: IC38.M4
CPU_HW_ID1: IC38.N3
CPU_HW_ID2: IC38.M3
CPU_HW_ID3: IC38.K7
CS_0: IC65.1
CS_1: IC65.2
CS_2: IC65.10
CS_3: IC65.13
CS_4: IC66.1
CS_5: IC66.2
CS_6: IC66.10
CS_7: IC66.13
CS_8: IC67.1
CS_9: IC67.2
CS_10: IC67.10
CS_11: IC67.13
CS_12: IC68.1
CS_13: IC68.2
CS_14: IC68.10
CS_15: IC68.13
CS_16: IC69.1
CS_17: IC69.2
DAC_CLK_IN.CLK0_N: IC20.9
DAC_CLK_IN.CLK0_P: IC20.10
DAC_CLK_IN.CLK1_N: IC20.7
DAC_CLK_IN.CLK1_P: IC20.8
DAC_CLK_IN.CLK2_N: IC20.4
DAC_CLK_IN.CLK2_P: IC20.5
DAC_CLK_IN.CLK3_N: IC20.42
DAC_CLK_IN.CLK3_P: IC20.43
DAC_CLK_IN.CLK4_N: IC20.40
DAC_CLK_IN.CLK4_P: IC20.41
DAC_CLK_IN.CLK5_N: IC20.37
DAC_CLK_IN.CLK5_P: IC20.38
DAC_CLK_IN.CLK6_N: IC20.35
DAC_CLK_IN.CLK6_P: IC20.36
DAC_CLK_IN.CLK7_N: IC20.29
DAC_CLK_IN.CLK7_P: IC20.30
DAC_CLK_IN.CLK8_N: IC20.26
DAC_CLK_IN.CLK8_P: IC20.27
DAC_CLK_IN.CLK9_N: IC20.24
DAC_CLK_IN.CLK9_P: IC20.25
DAC_CLK_IN.CLK10_N: IC22.9
DAC_CLK_IN.CLK10_P: IC22.10
DAC_CLK_IN.CLK11_N: IC22.7
DAC_CLK_IN.CLK11_P: IC22.8
DAC_CLK_IN.CLK12_N: IC22.4
DAC_CLK_IN.CLK12_P: IC22.5
DAC_CLK_IN.CLK13_N: IC22.42
DAC_CLK_IN.CLK13_P: IC22.43
DAC_CLK_IN.CLK14_N: IC22.40
DAC_CLK_IN.CLK14_P: IC22.41
DAC_CLK_IN.CLK15_N: IC22.37
DAC_CLK_IN.CLK15_P: IC22.38
DAC_CLK_IN.CLK16_N: IC22.35
DAC_CLK_IN.CLK16_P: IC22.36
DAC_CLK_IN.CLK17_N: IC22.29
DAC_CLK_IN.CLK17_P: IC22.30
DAC_DATA_IN.DAC_0_0: IC25.V26
DAC_DATA_IN.DAC_0_1: IC25.W26
DAC_DATA_IN.DAC_0_2: IC25.U29
DAC_DATA_IN.DAC_0_3: IC25.V29
DAC_DATA_IN.DAC_0_4: IC25.W29
DAC_DATA_IN.DAC_0_5: IC25.U26
DAC_DATA_IN.DAC_0_6: IC25.U27
DAC_DATA_IN.DAC_0_7: IC25.W28
DAC_DATA_IN.DAC_0_8: IC25.Y28
DAC_DATA_IN.DAC_0_9: IC25.U24
DAC_DATA_IN.DAC_0_10: IC25.U25
DAC_DATA_IN.DAC_0_11: IC25.V27
DAC_DATA_IN.DAC_0_12: IC25.V28
DAC_DATA_IN.DAC_0_13: IC25.V21
DAC_DATA_IN.DAC_0_14: IC25.W21
DAC_DATA_IN.DAC_0_15: IC25.T22
DAC_DATA_IN.DAC_1_0: IC25.U22
DAC_DATA_IN.DAC_1_1: IC25.W25
DAC_DATA_IN.DAC_1_2: IC25.Y25
DAC_DATA_IN.DAC_1_3: IC25.Y21
DAC_DATA_IN.DAC_1_4: IC25.W23
DAC_DATA_IN.DAC_1_5: IC25.W24
DAC_DATA_IN.DAC_1_6: IC25.AA24
DAC_DATA_IN.DAC_1_7: IC25.AA25
DAC_DATA_IN.DAC_1_8: IC25.Y22
DAC_DATA_IN.DAC_1_9: IC25.Y23
DAC_DATA_IN.DAC_1_10: IC25.AA23
DAC_DATA_IN.DAC_1_11: IC25.AB21
DAC_DATA_IN.DAC_1_12: IC25.AC21
DAC_DATA_IN.DAC_1_13: IC25.AA20
DAC_DATA_IN.DAC_1_14: IC25.AB20
DAC_DATA_IN.DAC_1_15: IC25.AC22
DAC_DATA_IN.DAC_2_0: IC25.AC23
DAC_DATA_IN.DAC_2_1: IC25.AA22
DAC_DATA_IN.DAC_2_2: IC25.AB22
DAC_DATA_IN.DAC_2_3: IC25.AB25
DAC_DATA_IN.DAC_2_4: IC25.AB26
DAC_DATA_IN.DAC_2_5: IC25.AA27
DAC_DATA_IN.DAC_2_6: IC25.AB27
DAC_DATA_IN.DAC_2_7: IC25.AC26
DAC_DATA_IN.DAC_2_8: IC25.AC27
DAC_DATA_IN.DAC_2_9: IC25.AB24
DAC_DATA_IN.DAC_2_10: IC25.AC24
DAC_DATA_IN.DAC_2_11: IC25.AD25
DAC_DATA_IN.DAC_2_12: IC25.AD26
DAC_DATA_IN.DAC_2_13: IC25.AA28
DAC_DATA_IN.DAC_2_14: IC25.Y26
DAC_DATA_IN.DAC_2_15: IC25.Y27
DAC_DATA_IN.DAC_3_0: IC25.V31
DAC_DATA_IN.DAC_3_1: IC25.W31
DAC_DATA_IN.DAC_3_2: IC25.V32
DAC_DATA_IN.DAC_3_3: IC25.U34
DAC_DATA_IN.DAC_3_4: IC25.V34
DAC_DATA_IN.DAC_3_5: IC25.Y31
DAC_DATA_IN.DAC_3_6: IC25.Y32
DAC_DATA_IN.DAC_3_7: IC25.V33
DAC_DATA_IN.DAC_3_8: IC25.W34
DAC_DATA_IN.DAC_3_9: IC25.W30
DAC_DATA_IN.DAC_3_10: IC25.Y30
DAC_DATA_IN.DAC_3_11: IC25.W33
DAC_DATA_IN.DAC_3_12: IC25.Y33
DAC_DATA_IN.DAC_3_13: IC25.AC33
DAC_DATA_IN.DAC_3_14: IC25.AD33
DAC_DATA_IN.DAC_3_15: IC25.AA34
DAC_DATA_IN.DAC_4_0: IC25.AD34
DAC_DATA_IN.DAC_4_1: IC25.AB30
DAC_DATA_IN.DAC_4_2: IC25.AB31
DAC_DATA_IN.DAC_4_3: IC25.AA33
DAC_DATA_IN.DAC_4_4: IC25.AA32
DAC_DATA_IN.DAC_4_5: IC25.AB32
DAC_DATA_IN.DAC_4_6: IC25.AC31
DAC_DATA_IN.DAC_4_7: IC25.AC32
DAC_DATA_IN.DAC_4_8: IC25.AE31
DAC_DATA_IN.DAC_4_9: IC25.AD30
DAC_DATA_IN.DAC_4_10: IC25.AD31
DAC_DATA_IN.DAC_4_11: IC25.AE33
DAC_DATA_IN.DAC_4_12: IC25.AF34
DAC_DATA_IN.DAC_4_13: IC25.AE32
DAC_DATA_IN.DAC_4_14: IC25.AF32
DAC_DATA_IN.DAC_4_15: IC25.AF33
DAC_DATA_IN.DAC_5_0: IC25.AG34
DAC_DATA_IN.DAC_5_1: IC25.AG31
DAC_DATA_IN.DAC_5_2: IC25.AG32
DAC_DATA_IN.DAC_5_3: IC25.AF30
DAC_DATA_IN.DAC_5_4: IC25.AG30
DAC_DATA_IN.DAC_5_5: IC25.AD29
DAC_DATA_IN.DAC_5_6: IC25.AE30
DAC_DATA_IN.DAC_5_7: IC25.AF29
DAC_DATA_IN.DAC_5_8: IC25.AG29
DAC_DATA_IN.DAC_5_9: IC25.AC28
DAC_DATA_IN.DAC_5_10: IC25.AD28
DAC_DATA_IN.DAC_5_11: IC25.AE28
DAC_DATA_IN.DAC_5_12: IC25.AF28
DAC_DATA_IN.DAC_5_13: IC25.AC29
DAC_DATA_IN.DAC_5_14: IC25.AE27
DAC_DATA_IN.DAC_5_15: IC25.AF27
DAC_DATA_IN.DAC_6_0: IC25.L19
DAC_DATA_IN.DAC_6_1: IC25.L18
DAC_DATA_IN.DAC_6_2: IC25.L17
DAC_DATA_IN.DAC_6_3: IC25.K16
DAC_DATA_IN.DAC_6_4: IC25.J16
DAC_DATA_IN.DAC_6_5: IC25.J19
DAC_DATA_IN.DAC_6_6: IC25.J18
DAC_DATA_IN.DAC_6_7: IC25.L15
DAC_DATA_IN.DAC_6_8: IC25.K15
DAC_DATA_IN.DAC_6_9: IC25.K18
DAC_DATA_IN.DAC_6_10: IC25.K17
DAC_DATA_IN.DAC_6_11: IC25.J15
DAC_DATA_IN.DAC_6_12: IC25.J14
DAC_DATA_IN.DAC_6_13: IC25.H19
DAC_DATA_IN.DAC_6_14: IC25.H18
DAC_DATA_IN.DAC_6_15: IC25.H17
DAC_DATA_IN.DAC_7_0: IC25.G14
DAC_DATA_IN.DAC_7_1: IC25.F18
DAC_DATA_IN.DAC_7_2: IC25.F17
DAC_DATA_IN.DAC_7_3: IC25.H14
DAC_DATA_IN.DAC_7_4: IC25.G17
DAC_DATA_IN.DAC_7_5: IC25.G16
DAC_DATA_IN.DAC_7_6: IC25.E18
DAC_DATA_IN.DAC_7_7: IC25.E17
DAC_DATA_IN.DAC_7_8: IC25.C16
DAC_DATA_IN.DAC_7_9: IC25.E16
DAC_DATA_IN.DAC_7_10: IC25.D16
DAC_DATA_IN.DAC_7_11: IC25.D19
DAC_DATA_IN.DAC_7_12: IC25.D18
DAC_DATA_IN.DAC_7_13: IC25.F15
DAC_DATA_IN.DAC_7_14: IC25.F14